# KiCad board teensy_arena_12-12.kicad_pcb (continued)
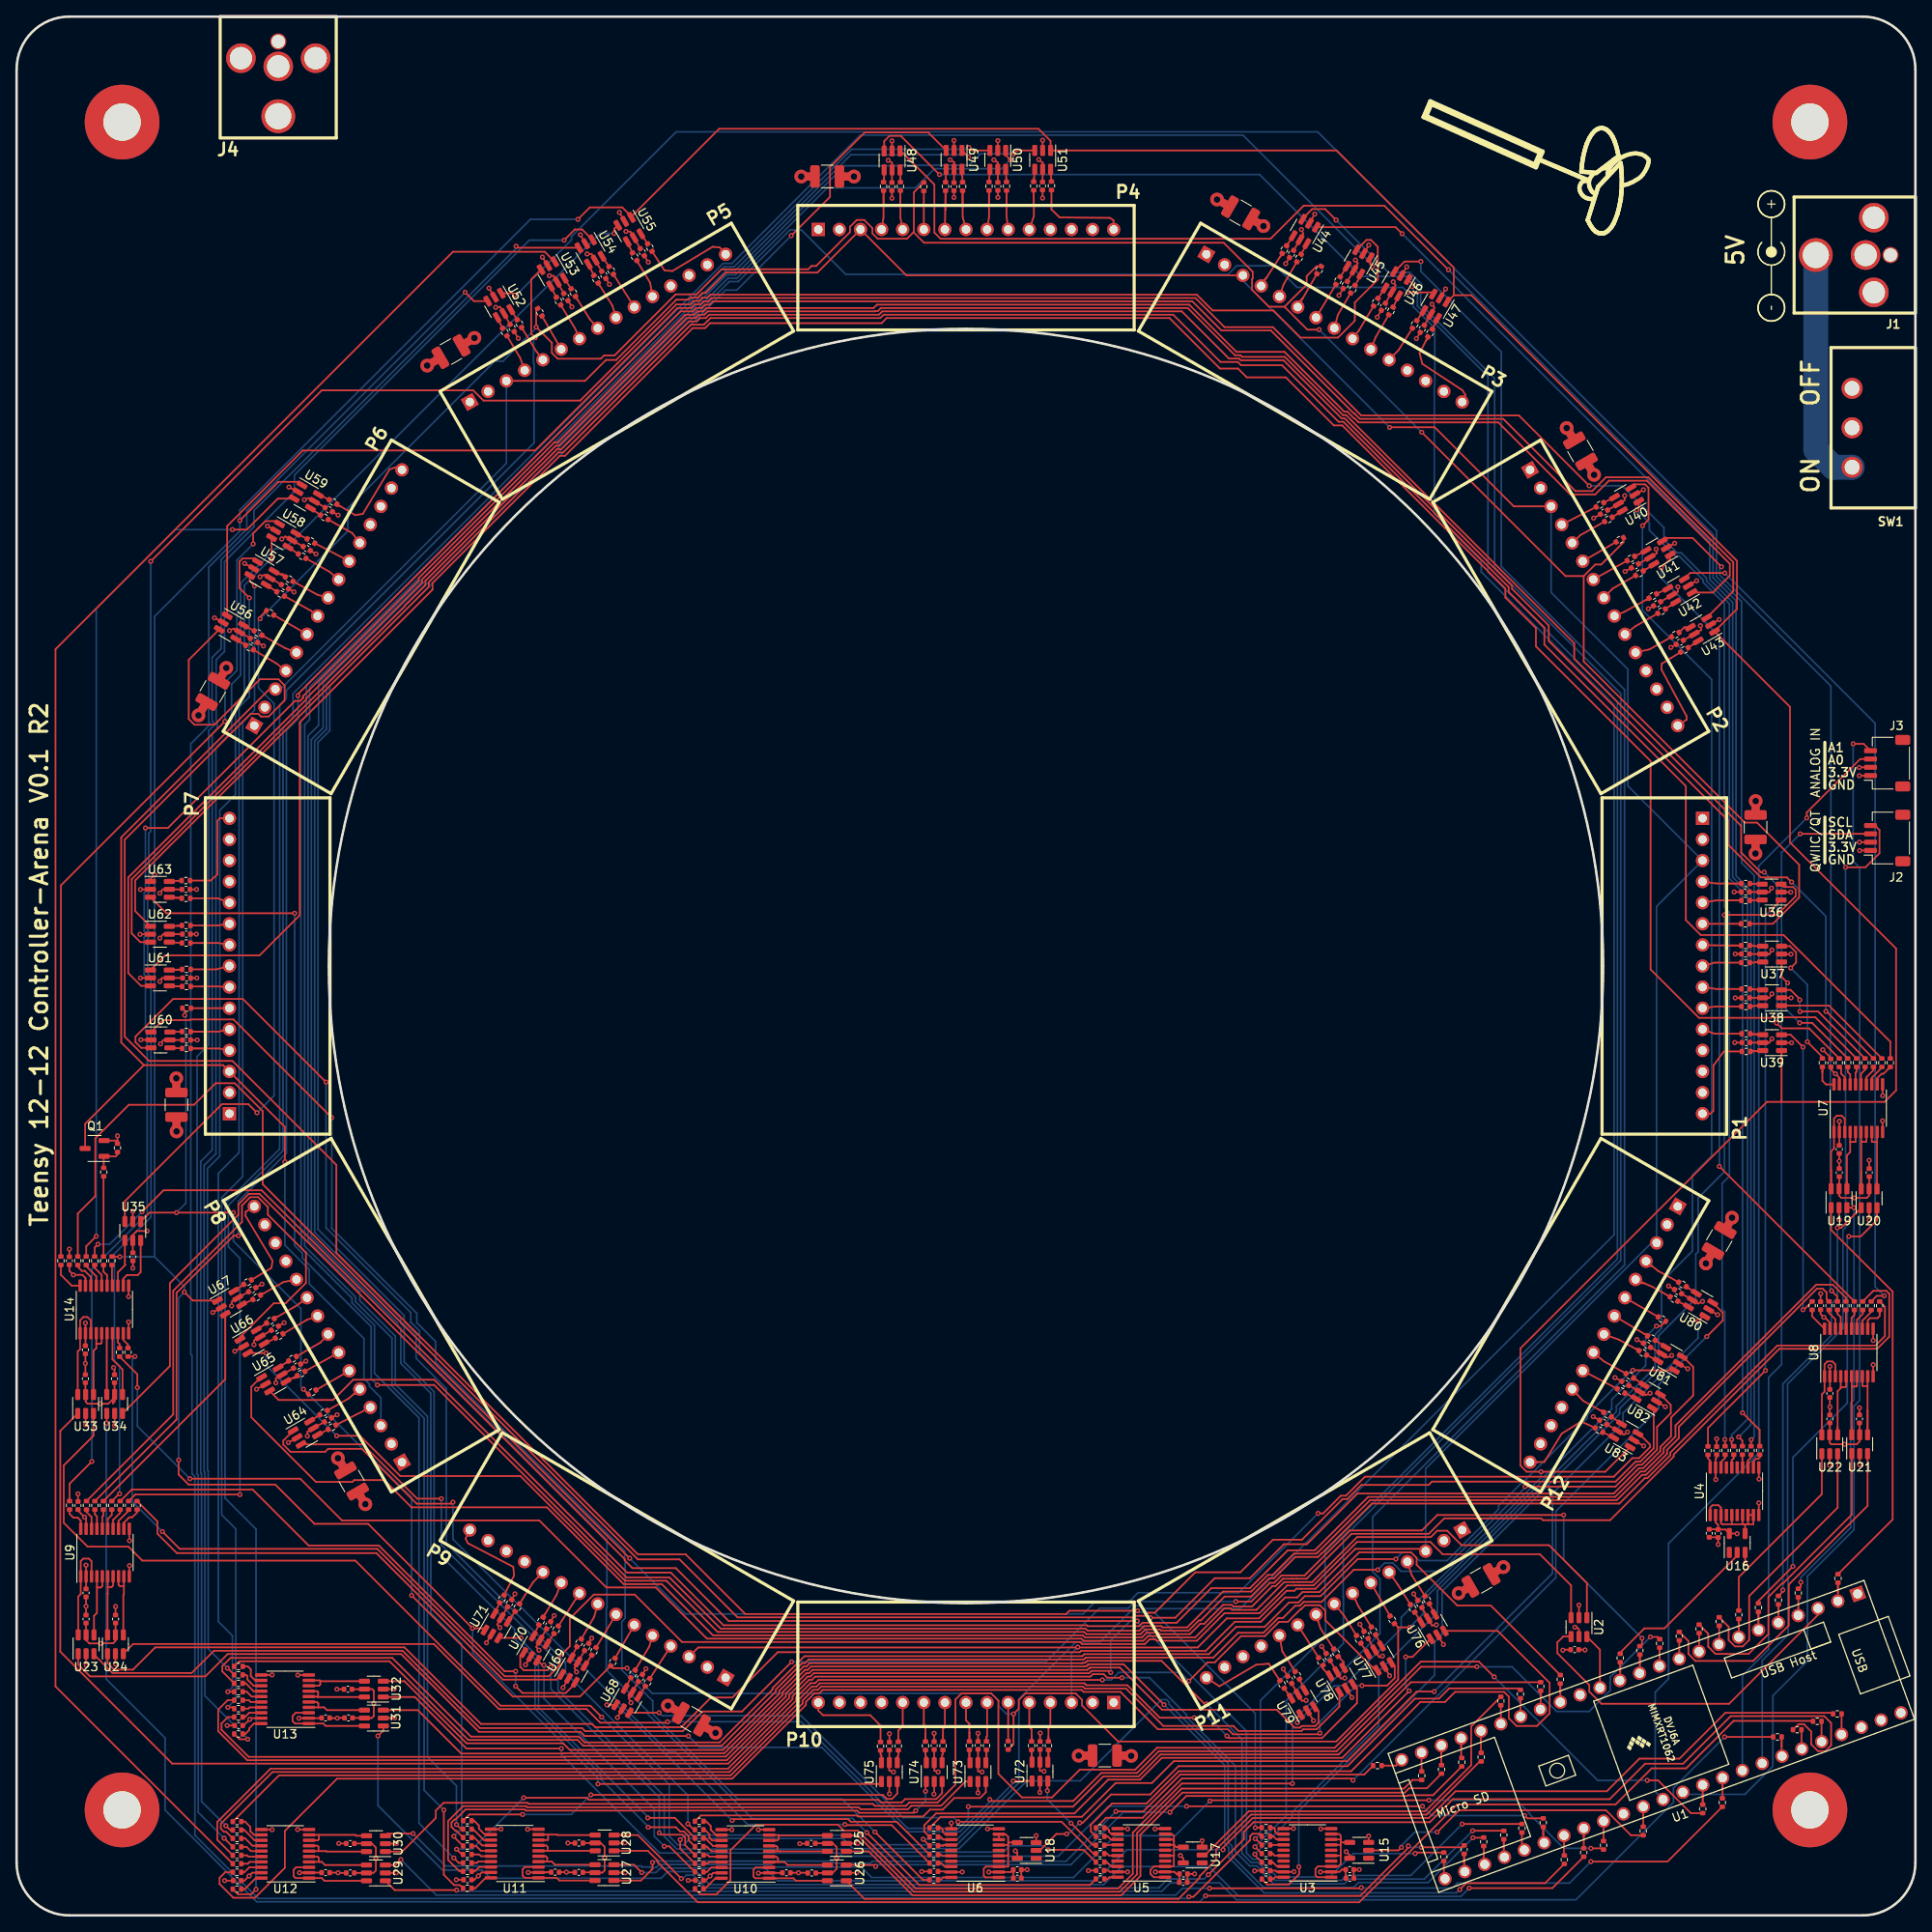
[diagram p0: board, top side]
## Routing (per net, layer and track width the routed paths; a pad name or vN(x,y) marks a point on that pad's centre or on a via; arc(x,y) is an arc through that point) (continued)
Net-(R127-Pad2): length 1.9
  Top w0.2: 209.04,124.21 R127.2 208.69,124.21 209.04,124.21 ; 209.04,124.21 210.14,124.15 U36.4
Net-(R128-Pad2): length 1.5
  Top w0.2: U36.6 210.14,122.25 R128.2
Net-(R129-Pad2): length 1.6
  Top w0.2: 208.67,116.76 209.12,116.76 209.22,116.69 U37.4 ; 208.67,116.76 R129.2 208.67,116.76
Net-(R130-Pad2): length 1.6
  Top w0.2: 208.67,114.71 209.14,114.71 209.45,114.78 U37.6 ; 208.67,114.71 R130.2 208.67,114.71
Net-(R131-Pad2): length 1.9
  Top w0.2: 209.07,111.5 208.72,111.5 R131.2 209.07,111.5 ; 209.07,111.5 U38.4
Net-(R132-Pad2): length 1.9
  Top w0.2: 209.01,109.46 209.32,109.5 U38.6 ; 209.01,109.46 208.73,109.46 R132.2 209.01,109.46
Net-(R133-Pad2): length 2.3
  Top w0.2: 208.72,106.15 209.46,106.08 ; 209.46,106.08 U39.4 ; 209.46,106.08 208.78,106.08 R133.2
Net-(R134-Pad2): length 2.2
  Top w0.2: 209.45,104.06 U39.6 ; 209.45,104.06 208.79,104.06 R134.2 ; 209.45,104.06 208.74,104.01
Net-(R135-Pad2): length 1.5
  Top w0.2: U40.4 192.38,170.75 191.06,170.08 R135.2
Net-(R136-Pad2): length 2.3
  Top w0.2: U40.6 192.94,168.72 192.71,168.72 ; 192.08,168.32 192.08,168.32 ; 192.08,168.32 R136.2 ; 192.08,168.32 192.71,168.72 ; 192.71,168.72 193.33,169.11
Net-(R137-Pad2): length 1.6
  Top w0.2: 196.17,164.33 U41.4 194.79,163.62 R137.2
Net-(R138-Pad2): length 2
  Top w0.2: 196.14,162.04 197.12,162.68 ; 196.14,162.04 196.03,162.04 R138.2 196.14,162.04 ; 197.12,162.68 U41.6 197.12,162.68
Net-(R139-Pad2): length 1.5
  Top w0.2: R139.2 U42.4
Net-(R140-Pad2): length 2.3
  Top w0.2: 199.12,157.7 198.48,157.27 R140.2 ; 199.12,157.7 199.33,157.7 U42.6 199.12,157.7
Net-(R141-Pad2): length 1.6
  Top w0.2: U43.4 200.78,155.09 R141.2
Net-(R142-Pad2): length 2.2
  Top w0.2: 201.85,153.03 202.05,153.03 U43.6 ; 201.85,153.03 202.45,153.44 ; 201.85,153.03 R142.2
Net-(R143-Pad2): length 1.9
  Top w0.2: R143.2 152.89,201.1 153.09,201.3 ; 152.89,200.99 153.09,201.3 ; 153.09,201.3 U44.4
Net-(R144-Pad2): length 1.5
  Top w0.2: U44.6 R144.2 154.65,199.98
Net-(R145-Pad2): length 1.6
  Top w0.2: R145.2 160.19,198.56 U45.4
Net-(R146-Pad2): length 1.6
  Top w0.2: R146.2 161.13,196.23 161.44,196.75 161.84,197.61
Net-(R147-Pad2): length 1.6
  Top w0.2: U46.4 163.92,194.71 ; 163.92,194.71 163.89,194.68 R147.2 163.92,194.71
Net-(R148-Pad2): length 1.5
  Top w0.2: R148.2 165.72,193.61 165.91,194.01 U46.6
Net-(R149-Pad2): length 2.3
  Top w0.2: 169,192.61 U47.4 169.43,193.04 169,192.61 ; 169,192.61 R149.2
Net-(R150-Pad2): length 1.5
  Top w0.2: R150.2 170.43,190.95 U47.6
Net-(R151-Pad2): length 2.2
  Top w0.2: 104.45,209.68 U48.4 104.45,209.68 104.45,209.68 ; 104.45,209.68 104.44,209.22 104.41,208.95 ; 104.41,208.95 R151.2 104.37,208.91 104.41,208.95
Net-(R152-Pad2): length 2.2
  Top w0.2: 106.4,208.92 106.41,208.92 R152.2 106.4,208.92 ; 106.4,208.92 106.4,209.17 106.38,209.66 ; 106.38,209.66 U48.6 106.35,209.68 106.38,209.66
Net-(R153-Pad2): length 1.9
  Top w0.2: 111.85,208.96 111.84,208.67 111.84,208.95 111.85,208.96 ; 111.85,208.96 U49.4
Net-(R154-Pad2): length 2.3
  Top w0.2: 113.85,209.44 113.81,209.48 U49.6 113.85,209.44 ; 113.85,209.44 113.89,208.67
Net-(R155-Pad2): length 1.5
  Top w0.2: R155.2 U50.4
Net-(R156-Pad2): length 1.9
  Top w0.2: 119.15,209.07 R156.2 119.18,209.05 119.15,209.07 ; 119.15,209.07 U50.6
Net-(R157-Pad2): length 1.9
  Top w0.2: 122.48,209.09 U51.4 ; 122.48,209.09 122.45,209.06 R157.2 ; 122.48,209.09 122.45,208.72
Net-(R158-Pad2): length 2.2
  Top w0.2: R158.2 124.53,209.48 ; 124.53,209.48 124.48,209.53 U51.6 124.53,209.48
Net-(R159-Pad2): length 1.5
  Top w0.2: 58.52,191.07 58.52,191.07 ; 58.52,191.07 R159.2 ; 58.52,191.07 57.85,192.38 U52.4
Net-(R160-Pad2): length 1.9
  Top w0.2: 60.08,192.39 60.28,192.2 R160.2 ; 60.08,192.39 60.28,192.08 ; 60.08,192.39 U52.6
Net-(R161-Pad2): length 1.6
  Top w0.2: R161.2 U53.4
Net-(R162-Pad2): length 1.6
  Top w0.2: R162.2 U53.6
Net-(R163-Pad2): length 1.5
  Top w0.2: R163.2 U54.4
Net-(R164-Pad2): length 1.5
  Top w0.2: R164.2 U54.6
Net-(R165-Pad2): length 1.5
  Top w0.2: U55.4 74.15,200.14 R165.2
Net-(R166-Pad2): length 1.5
  Top w0.2: R166.2 75.16,202.45 ; 75.16,202.45 U55.6 75.16,202.45
Net-(R167-Pad2): length 1.9
  Top w0.2: 27.31,153.08 U56.4 ; 27.31,153.08 27.41,153.08 R167.2 ; 27.31,153.08 27.61,152.89
Net-(R168-Pad2): length 1.5
  Top w0.2: U56.6 R168.2 28.62,154.65
Net-(R169-Pad2): length 1.9
  Top w0.2: 31.04,159.55 31.15,159.55 R169.2 31.04,159.55 ; 31.04,159.55 30.04,160.19 U57.4
Net-(R170-Pad2): length 2.4
  Top w0.2: 31.68,161.48 30.99,161.84 ; 31.68,161.48 32.02,161.48 R170.2 ; 31.68,161.48 32.37,161.13
Net-(R171-Pad2): length 1.5
  Top w0.2: R171.2 U58.4
Net-(R172-Pad2): length 1.5
  Top w0.2: U58.6 34.99,165.72 R172.2
Net-(R173-Pad2): length 1.5
  Top w0.2: R173.2 U59.4
Net-(R174-Pad2): length 1.5
  Top w0.2: 37.66,170.43 37.65,170.43 ; 37.65,170.43 R174.2 ; 37.65,170.43 U59.6
Net-(R175-Pad2): length 2.2
  Top w0.2: 19.19,104.41 U60.4 18.49,104.41 19.19,104.41 ; 19.19,104.41 R175.2
Net-(R176-Pad2): length 1.5
  Top w0.2: U60.6 R176.2
Net-(R177-Pad2): length 2.3
  Top w0.2: U61.4 19.16,111.87 ; 19.16,111.87 19.9,111.87 19.94,111.84 19.16,111.87
Net-(R178-Pad2): length 2.3
  Top w0.2: U61.6 19.19,113.85 ; 19.19,113.85 19.9,113.85 19.94,113.89 19.19,113.85
Net-(R179-Pad2): length 1.5
  Top w0.2: R179.2 U62.4
Net-(R180-Pad2): length 2.1
  Top w0.2: 19.34,119.14 R180.2 19.87,119.14 19.34,119.14 ; 19.34,119.14 U62.6
Net-(R181-Pad2): length 2.3
  Top w0.2: 19.88,122.45 19.13,122.52 ; 19.13,122.52 U63.4 ; 19.13,122.52 19.82,122.52 R181.2
Net-(R182-Pad2): length 1.5
  Top w0.2: R182.2 U63.6
Net-(R183-Pad2): length 1.5
  Top w0.2: U64.4 36.22,57.85 R183.2 37.53,58.52
Net-(R184-Pad2): length 1.5
  Top w0.2: 36.52,60.28 U64.6 ; 36.52,60.28 36.52,60.28 ; 36.52,60.28 R184.2
Net-(R185-Pad2): length 2.2
  Top w0.2: 33.27,64.7 33.53,64.7 R185.2 33.27,64.7 ; 33.27,64.7 U65.4
Net-(R186-Pad2): length 2
  Top w0.2: 32.46,66.56 U65.6 ; 32.46,66.56 32.57,66.56 R186.2 32.46,66.56
Net-(R187-Pad2): length 1.5
  Top w0.2: U66.4 R187.2
Net-(R188-Pad2): length 1.9
  Top w0.2: 29.8,71.12 29.91,71.12 R188.2 29.8,71.12 ; 29.8,71.12 28.85,70.48 ; 28.85,70.48 U66.6 28.85,70.48
Net-(R189-Pad2): length 1.5
  Top w0.2: U67.4 28.46,74.15 R189.2
Net-(R190-Pad2): length 1.9
  Top w0.2: 27.04,75.77 U67.6 ; 27.04,75.77 27.15,75.77 R190.2 27.04,75.77
Net-(R191-Pad2): length 1.5
  Top w0.2: U68.4 74.91,26.37 R191.2 75.71,27.61
Net-(R192-Pad2): length 1.5
  Top w0.2: U68.6 73.95,28.62 R192.2
Net-(R193-Pad2): length 1.6
  Top w0.2: U69.4 68.41,30.05 ; 68.41,30.05 68.41,30.04 ; 68.41,30.05 69.25,31.35 ; 69.25,31.35 R193.2 69.25,31.35
Net-(R194-Pad2): length 1.6
  Top w0.2: 66.76,30.99 67.47,32.37 R194.2
Net-(R195-Pad2): length 1.5
  Top w0.2: 63.86,32.68 64.71,33.94 ; 63.86,32.68 63.85,32.67 ; 63.86,32.68 U70.4 ; 64.71,33.94 R195.2 64.71,33.94
Net-(R196-Pad2): length 1.5
  Top w0.2: U70.6 62.88,34.99 R196.2
Net-(R197-Pad2): length 2.3
  Top w0.2: 59.6,35.99 U71.4 59.17,35.56 59.6,35.99 ; 59.6,35.99 R197.2
Net-(R198-Pad2): length 1.5
  Top w0.2: U71.6 58.17,37.66 R198.2
Net-(R199-Pad2): length 2.2
  Top w0.2: 124.23,19.23 R199.2 124.23,19.23 ; 124.23,19.23 124.23,18.53 124.15,18.46 U72.4
Net-(R200-Pad2): length 2.2
  Top w0.2: 122.19,19.22 R200.2 122.19,19.22 ; 122.19,19.22 122.19,18.51 U72.6
Net-(R201-Pad2): length 2.3
  Top w0.2: 116.76,19.2 R201.2 116.76,19.2 ; 116.76,19.2 116.76,18.46 U73.4
Net-(R202-Pad2): length 2.3
  Top w0.2: 114.71,19.2 R202.2 114.71,19.2 114.71,19.2 ; 114.71,19.2 114.71,18.47 U73.6
Net-(R203-Pad2): length 1.8
  Top w0.2: 111.53,19.68 R203.2 111.53,19.68 ; 111.53,19.68 111.53,19.46 111.43,19.35 U74.4
Net-(R204-Pad2): length 1.9
  Top w0.2: 109.42,19.56 109.42,19.2 109.53,19.1 U74.6 ; 109.42,19.56 R204.2 109.42,19.56
Net-(R205-Pad2): length 1.9
  Top w0.2: 106.15,19.88 106.15,19.56 ; 106.15,19.56 106.15,19.56 R205.2 ; 106.15,19.56 106.15,19.23 106.02,19.1 U75.4
Net-(R206-Pad2): length 1.9
  Top w0.2: 104.12,18.82 U75.6 104.12,18.82 ; 104.12,18.82 104.12,19.25 104.01,19.36 R206.2 104.01,19.86
Net-(R207-Pad2): length 1.5
  Top w0.2: U76.4 170.75,36.22 170.08,37.54 R207.2
Net-(R208-Pad2): length 1.5
  Top w0.2: 168.32,36.52 168.32,36.52 ; 168.32,36.52 169.1,35.28 ; 168.32,36.52 R208.2 ; U76.6 169.1,35.28 ; 169.1,35.28 169.11,35.27
Net-(R209-Pad2): length 1.6
  Top w0.2: R209.2 163.62,33.81 U77.4 164.32,32.43
Net-(R210-Pad2): length 1.6
  Top w0.2: R210.2 162.68,31.49 ; 162.68,31.49 U77.6 162.68,31.49
Net-(R211-Pad2): length 1.7
  Top w0.2: U78.4 159.77,30.5 R211.2
Net-(R212-Pad2): length 1.6
  Top w0.2: U78.6 157.27,29.7 R212.2
Net-(R213-Pad2): length 1.5
  Top w0.2: R213.2 154.45,28.46 U79.4
Net-(R214-Pad2): length 1.5
  Top w0.2: R214.2 U79.6 153.44,26.15
Net-(R215-Pad2): length 1.9
  Top w0.2: R215.2 201.19,75.52 201.29,75.52 ; 201.29,75.52 202.23,74.91 U80.4 ; 201.29,75.52 200.99,75.71
Net-(R216-Pad2): length 1.5
  Top w0.2: U80.6 199.98,73.95 R216.2
Net-(R217-Pad2): length 1.9
  Top w0.2: U81.4 198.56,68.41 197.56,69.05 ; 197.56,69.05 197.45,69.05 R217.2 197.56,69.05
Net-(R218-Pad2): length 1.6
  Top w0.2: R218.2 196.23,67.47 197.61,66.77
Net-(R219-Pad2): length 1.9
  Top w0.2: 194.99,64.49 R219.2 194.88,64.49 194.99,64.49 ; 194.99,64.49 195.93,63.85 ; U82.4 195.93,63.85 ; 195.93,63.85 195.93,63.85
Net-(R220-Pad2): length 1.5
  Top w0.2: R220.2 193.61,62.88 U82.6
Net-(R221-Pad2): length 1.5
  Top w0.2: 193.22,59.18 U83.4 193.22,59.18 ; 193.22,59.18 R221.2
Net-(R222-Pad2): length 1.5
  Top w0.2: U83.6 190.94,58.17 R222.2
Net-(U3-A1): length 15.3
  Top w0.2: 159.41,8.78 159.41,9.14 ; 159.41,8.78 U15.4 ; 159.41,8.78 159.41,8.45 ; 159.41,9.14 U3.8 158.26,9.14 ; 159.41,9.14 159.41,9.6 159.22,9.79 U3.9 158.26,9.79 ; 159.41,7.19 159.41,8.45 ; 159.41,7.19 159.41,6.2 159.11,5.89 U3.3 156.67,5.89 156.37,5.6 156.37,4.82 156.59,4.59 U3.1 ; 159.41,7.19 159.4,7.19 159.37,7.22 159.34,7.19 U3.5 158.26,7.19 ; 159.41,8.45 159.37,8.49 U3.7 158.26,8.49
Net-(U3-B1): length 1.7
  Top w0.2: U3.20 151.51,4.59 151.28,4.37 150.93,4.37 R39.2
Net-(U3-B2): length 1.8
  Top w0.2: U3.18 151.74,5.89 151.23,6.4 150.93,6.4 R40.2
Net-(U3-B4): length 1.7
  Top w0.2: U3.16 151.45,7.19 151.21,7.44 R41.2
Net-(U3-B6): length 1.6
  Top w0.2: 150.93,8.48 R42.2 150.93,8.48 ; 150.93,8.48 152.53,8.48 152.53,8.49 ; 152.53,8.49 U3.14 152.53,8.49
Net-(U3-B7): length 1.8
  Top w0.2: U3.13 151.69,9.14 151.31,9.53 R43.2
Net-(U3-B8): length 2.1
  Top w0.2: 150.93,10.57 R44.2 150.93,10.57 ; 150.93,10.57 151.33,10.57 151.49,10.41 151.49,10.11 151.8,9.79 U3.12
Net-(U4-A1): length 15.8
  Top w0.2: 207.8,47.09 206.5,47.09 ; 207.8,47.09 207.98,47.09 ; 207.8,47.09 207.8,47.65 ; 207.8,47.09 207.98,47.09 ; 206.5,47.09 205.33,47.09 205.2,47.23 U4.3 205.2,49.08 204.9,49.38 204.17,49.38 203.9,49.11 U4.1 203.9,48.2 ; 206.5,47.09 206.5,47.1 206.5,48.2 U4.5 ; 208.1,47.09 208.1,47.09 208.1,46.53 ; 208.1,47.09 207.98,47.09 ; 208.1,47.09 208.43,47.09 ; 208.43,47.09 208.45,47.11 208.45,48.2 ; 208.43,47.09 209.09,47.09 209.1,47.1 U4.9 U4.8 ; 207.8,47.65 207.8,48.2 ; 207.8,47.65 U4.7 ; 208.1,45.98 208.1,46.53 ; 208.1,46.53 208.1,46.53 U16.4
Net-(U4-B1): length 2.3
  Top w0.2: 203.63,55.23 R45.2 203.63,55.23 ; 203.63,55.23 203.63,55.02 203.9,54.75 203.9,54.34 ; 203.9,54.34 U4.20 203.9,54.34 203.9,54.34
Net-(U4-B2): length 2.3
  Top w0.2: 205.69,55.27 205.69,55.27 R46.2 ; 205.69,55.27 205.69,55.08 205.2,54.58 205.2,54.25 ; 205.69,55.27 205.69,55.47 ; 205.2,54.25 U4.18 205.2,54.25
Net-(U4-B4): length 2.3
  Top w0.2: 206.73,55.26 206.73,55.26 R47.2 ; 206.73,55.26 206.73,55.47 ; 206.73,55.26 206.73,55.04 206.5,54.81 206.5,54.37 ; 206.5,54.37 U4.16 206.5,54.37
Net-(U4-B6): length 1.6
  Top w0.2: 207.78,53.94 U4.14 207.78,53.94 ; 207.78,53.94 207.77,53.95 R48.2
Net-(U4-B7): length 2.3
  Top w0.2: R49.2 208.81,55.31 208.81,55.31 ; 208.45,54.35 208.45,54.35 U4.13 208.45,54.35 ; 208.45,54.35 208.45,54.78 208.81,55.14 208.81,55.31 ; 208.81,55.31 208.81,55.47
Net-(U4-B8): length 2.6
  Top w0.2: 209.1,54.3 U4.12 209.1,54.29 209.1,54.3 ; 209.1,54.3 209.1,54.66 209.4,54.96 209.7,54.96 209.86,55.12 209.86,55.3 ; R50.2 209.85,55.3 209.86,55.3 ; 209.86,55.3 209.86,55.47
Net-(U5-A1): length 14.7
  Top w0.2: 139.32,7.19 138.28,7.19 U5.5 ; 139.32,7.19 139.34,7.21 139.33,7.22 139.33,8.49 ; 139.32,7.19 139.32,5.98 139.24,5.89 U5.3 136.92,5.89 136.51,5.48 136.51,4.98 136.9,4.59 U5.1 138.28,4.59 ; 139.33,8.95 139.33,9.56 139.1,9.79 138.28,9.79 U5.9 ; 139.33,8.95 139.33,8.49 ; 139.33,8.95 139.14,9.14 138.28,9.14 U5.8 ; 139.33,8.49 138.28,8.49 U5.7 ; 139.33,8.49 139.61,8.22 140.46,8.22 140.46,8.22
Net-(U5-B1): length 1.7
  Top w0.2: U5.20 131.54,4.59 131.34,4.39 R51.2
Net-(U5-B2): length 1.8
  Top w0.2: R52.2 131.25,6.42 131.77,5.89 U5.18
Net-(U5-B4): length 1.7
  Top w0.2: U5.16 131.54,7.19 131.3,7.43 R53.2
Net-(U5-B6): length 1.6
  Top w0.2: R54.2 131.44,8.45 131.48,8.49 U5.14
Net-(U5-B7): length 1.8
  Top w0.2: U5.13 131.72,9.14 131.35,9.52 R55.2
Net-(U5-B8): length 2
  Top w0.2: 130.96,10.53 R56.2 131.25,10.53 131.51,10.27 131.51,10.09 131.81,9.79 U5.12
Net-(U6-A1): length 14.7
  Top w0.2: U6.1 116.64,4.57 116.43,4.78 116.43,5.61 116.69,5.87 U6.3 119.36,5.87 119.38,5.89 119.38,7.31 ; U6.5 119.24,7.17 119.38,7.31 ; 119.38,8.53 119.32,8.47 U6.7 ; 119.38,8.53 119.38,7.31 ; 119.38,8.53 119.38,8.8 ; 120.47,8.77 U18.4 119.41,8.77 119.38,8.8 ; 119.38,8.8 119.38,9.45 119.06,9.77 U6.9 U6.8
Net-(U6-B1): length 1.7
  Top w0.2: 112.53,4.57 U6.20 111.56,4.57 111.26,4.28 R57.2
Net-(U6-B2): length 1.8
  Top w0.2: R58.2 111.29,6.31 111.73,5.87 U6.18 112.53,5.87
Net-(U6-B4): length 1.7
  Top w0.2: R59.2 111.29,7.33 111.45,7.17 U6.16 112.53,7.17
Net-(U6-B6): length 1.6
  Top w0.2: R60.2 111.55,8.39 111.56,8.38 111.65,8.47 U6.14 112.53,8.47
Net-(U6-B7): length 1.7
  Top w0.2: R61.2 111.24,9.46 111.58,9.12 U6.13 112.53,9.12
Net-(U6-B8): length 2.1
  Top w0.2: 112.53,9.77 U6.12 111.79,9.77 111.49,10.07 111.49,10.33 111.29,10.53 R62.2
Net-(U7-A1): length 14.1
  Top w0.2: 218.8,94.21 218.8,95.94 219.13,96.27 219.74,96.27 220.1,95.9 220.1,94.32 U7.3 ; 218.8,94.21 218.8,94.21 U7.1 ; 218.8,94.21 218.8,92.33 218.45,91.99 218.45,89.73 ; U19.6 218.45,89.73 218.45,89.73 ; 218.45,87.48 218.45,89.73
Net-(U7-A3): length 10.9
  Top w0.2: 220.36,87.48 220.36,88.35 ; 220.36,88.35 220.36,91.5 220.75,91.89 220.75,93.09 ; 220.36,88.35 220.35,88.35 U19.4 ; 220.75,93.09 220.75,93.7 ; 220.75,93.09 220.77,93.12 221.39,93.12 221.4,93.13 221.4,93.72 ; 220.75,93.7 U7.4 220.75,93.7 ; 221.4,93.72 221.4,93.72 U7.5 ; 221.4,93.72 221.4,94.32
Net-(U7-A5): length 11.4
  Top w0.2: 222.06,94.3 U7.6 222.06,94.3 ; 222.06,94.3 222.08,94.29 222.08,93.14 ; 222.08,93.14 222.08,89.58 ; 222.08,93.14 222.71,93.14 222.7,93.15 222.7,93.73 ; U20.6 222.08,89.58 222.08,89.58 ; 222.08,89.58 222.08,87.47 ; 222.7,93.73 222.7,94.32 ; 222.7,93.73 222.7,93.73 U7.7
Net-(U7-A7): length 10.1
  Top w0.2: 223.98,87.47 223.98,88.35 ; 223.98,88.35 223.98,88.35 U20.4 ; 223.98,88.35 223.98,93.09 ; 223.98,93.09 223.98,94.3 U7.9 224,94.32 ; 223.98,93.09 223.95,93.12 223.42,93.12 223.35,93.19 223.35,93.75 ; 223.35,93.75 U7.8 223.35,93.75
Net-(U7-B1): length 3.9
  Top w0.2: U7.20 218.8,100.04 ; 218.8,100.04 217.84,100.04 217.4,100.48 217.4,101.54 ; 218.8,100.04 218.8,100.04 ; 217.4,101.54 R69.2 217.4,101.54
Net-(U7-B2): length 2.5
  Top w0.2: 219.55,102.04 R63.2 219.44,102.15 219.55,102.04 ; 219.55,102.04 219.66,101.93 219.66,101.34 220.1,100.9 220.1,100.04 U7.18
Net-(U7-B3): length 2.5
  Top w0.2: 220.45,101.85 R64.2 220.45,101.85 ; 220.45,101.85 220.45,101.54 220.75,101.25 220.75,100.04 U7.17
Net-(U7-B4): length 2.4
  Top w0.2: 221.52,101.86 R65.2 221.52,101.86 ; 221.52,101.86 221.52,101.58 221.39,101.45 221.4,101.44 221.4,100.04 U7.16
Net-(U7-B5): length 2.5
  Top w0.2: 222.53,101.98 222.53,101.81 222.05,101.32 222.05,100.04 U7.15 ; 222.53,101.98 R66.2 222.53,101.98
Net-(U7-B6): length 2.7
  Top w0.2: U7.14 222.7,100.04 222.7,100.91 223.55,101.76 223.55,101.95 ; 223.55,101.95 R67.2 223.55,101.95 223.55,101.95
Net-(U7-B7): length 2.7
  Top w0.2: 224.57,102.11 R68.2 224.57,102.11 ; 224.57,102.11 224.57,102.07 223.35,100.85 223.35,100.04 U7.13
Net-(U7-B8): length 3.3
  Top w0.2: U7.12 224,100.04 224,100.79 224.53,101.33 224.76,101.33 225.28,101.85 ; 225.28,101.85 R70.2 225.28,101.85
Net-(U8-A1): length 14.2
  Top w0.2: 217.66,64.75 217.66,66.36 218,66.69 218.6,66.69 218.96,66.33 U8.3 ; 217.66,64.75 U8.1 ; 217.66,64.75 217.66,63.05 217.34,62.73 217.34,60.29 ; 217.34,60.29 U22.6 217.34,60.29
Net-(U8-A3): length 11.2
  Top w0.2: 219.61,64.25 219.61,64.25 U8.4 ; 219.61,64.25 219.61,63.6 ; 219.61,64.25 219.61,64.9 ; 219.61,63.6 220.17,63.6 220.26,63.7 220.26,64.3 ; 219.61,63.6 219.61,63.48 219.24,63.1 219.24,58.71 ; 220.26,64.3 U8.5 220.26,64.3 220.26,64.3 ; 219.24,58.71 U22.4 219.24,58.71
Net-(U8-A5): length 10.3
  Top w0.2: 220.94,58.71 220.94,63.68 ; 220.94,58.71 220.94,57.87 ; 220.94,58.71 U21.6 ; 220.94,63.68 221.49,63.68 221.56,63.75 221.56,63.76 221.56,64.33 ; 220.94,63.68 220.94,64.87 U8.6 220.91,64.9 ; 221.56,64.33 U8.7 221.56,64.33
Net-(U8-A7): length 12.3
  Top w0.2: 222.21,64.9 222.21,64.35 ; 222.21,64.35 222.21,64.35 U8.8 ; 222.21,64.35 222.21,63.79 222.27,63.73 222.84,63.73 ; 222.84,60.8 U21.4 ; 222.84,60.8 222.84,63.73 ; 222.84,60.8 222.84,57.87 ; 222.84,63.73 222.84,64.89 U8.9
Net-(U8-B1): length 3.3
  Top w0.2: U8.20 216.17,72.12 216.17,72.51 ; 216.17,72.51 216.17,72.51 R71.2 216.17,72.51
Net-(U8-B2): length 2.8
  Top w0.2: 218.2,72.71 R72.2 218.2,72.71 ; 218.2,72.71 218.2,72.53 218.96,71.77 U8.18
Net-(U8-B3): length 2.6
  Top w0.2: 219.22,72.72 R73.2 219.22,72.73 ; 219.22,72.72 219.22,72.43 219.61,72.03 219.61,70.63 U8.17
Net-(U8-B4): length 2.6
  Top w0.2: 220.23,72.56 R74.2 220.23,72.56 ; 220.23,72.56 220.23,70.66 U8.16
Net-(U8-B5): length 2.7
  Top w0.2: U8.15 220.91,70.63 220.91,71.94 221.25,72.28 221.25,72.59 ; 221.25,72.59 R75.2 ; 221.25,72.59 221.25,72.9
Net-(U8-B6): length 2.8
  Top w0.2: 222.26,72.65 222.26,72.41 221.56,71.7 U8.14 ; 222.26,72.65 222.26,72.89 ; 222.26,72.65 222.26,72.65 R76.2
Net-(U8-B7): length 2.8
  Top w0.2: U8.13 222.21,70.63 222.21,71.59 223.28,72.66 223.28,72.78 ; 223.28,72.78 223.28,72.89 ; 223.28,72.78 R77.2
Net-(U8-B8): length 3.8
  Top w0.2: U8.12 222.86,71.63 223.14,71.91 224.05,71.91 224.3,72.15 224.3,72.54 ; 224.3,72.54 224.3,72.89 ; 224.3,72.54 R78.2
Net-(U9-A1): length 12.4
  Top w0.2: U9.3 9.02,42.65 8.71,42.95 8.03,42.95 7.72,42.64 U9.1 7.72,38.68 7.42,38.38 U23.6
Net-(U9-A3): length 9.1
  Top w0.2: 9.67,39.56 U9.4 ; 9.67,39.56 9.67,36.41 9.32,36.06 U23.4 ; 9.67,39.56 9.75,39.47 10.13,39.47 10.32,39.66 U9.5
Net-(U9-A5): length 8.9
  Top w0.2: 10.97,39.52 U9.6 ; 10.97,39.52 10.97,38.73 10.95,38.71 U24.6 ; 10.97,39.52 11.43,39.52 11.62,39.71 U9.7
Net-(U9-A7): length 8.8
  Top w0.2: U9.8 12.27,39.8 12.45,39.62 12.92,39.62 ; 12.92,39.62 U9.9 ; 12.92,39.62 12.92,38.65 12.85,38.58 U24.4
Net-(U9-B1): length 3.2
  Top w0.2: U9.20 7.72,47.53 7.37,47.88 6.83,47.88 6.38,48.34 R79.2
Net-(U9-B2): length 2.6
  Top w0.2: U9.18 9.02,47.97 8.41,48.58 R80.2
Net-(U9-B3): length 2.4
  Top w0.2: R81.2 9.42,48.29 9.67,48.04 U9.17
Net-(U9-B4): length 2.4
  Top w0.2: U9.16 10.32,48.01 10.44,48.13 R82.2
Net-(U9-B5): length 2.5
  Top w0.2: U9.15 10.97,47.72 11.46,48.21 R83.2
Net-(U9-B6): length 2.7
  Top w0.2: R84.2 12.47,48.46 11.62,47.61 U9.14
Net-(U9-B7): length 2.8
  Top w0.2: R85.2 13.49,48.72 12.27,47.5 U9.13
Net-(U9-B8): length 3.2
  Top w0.2: U9.12 12.92,47.28 13.57,47.93 13.92,47.93 14.5,48.51 R86.2
Net-(U10-A1): length 11.9
  Top w0.2: U26.6 97.62,4.17 93.82,4.17 93.52,4.47 U10.1 88.93,4.47 88.71,4.69 88.71,5.5 88.98,5.77 U10.3
Net-(U10-A3): length 8.8
  Top w0.2: 91.67,6.42 91.67,6.86 91.46,7.07 U10.5 ; 91.67,6.42 92.46,6.42 92.81,6.07 97.62,6.07 U26.4 ; 91.67,6.42 U10.4
Net-(U10-A5): length 8.6
  Top w0.2: 91.59,7.72 91.92,7.72 91.92,7.72 91.93,7.71 97.62,7.71 ; 91.59,7.72 U10.6 ; 91.59,7.72 91.59,8.23 91.45,8.37 U10.7 ; 97.62,7.71 U25.6 97.62,7.71
Net-(U10-A7): length 8.7
  Top w0.2: 97.62,9.61 U25.4 97.62,9.61 ; 97.62,9.61 91.76,9.61 ; U10.9 91.7,9.67 91.76,9.61 ; 91.76,9.61 91.75,9.6 91.75,9.2 91.57,9.02 U10.8
Net-(U10-B1): length 2.7
  Top w0.2: 84.87,4.47 U10.20 84.87,4.47 ; 84.87,4.47 84.12,4.47 82.85,3.2 82.69,3.2 R87.2
Net-(U10-B2): length 2.4
  Top w0.2: 84.87,5.77 83.65,5.77 83.11,5.23 82.69,5.23 R88.2 ; 84.87,5.77 U10.18 84.87,5.77
Net-(U10-B3): length 2.3
  Top w0.2: 84.87,6.42 U10.17 84.87,6.42 ; 84.87,6.42 83.38,6.42 83.21,6.25 82.69,6.25 R89.2
Net-(U10-B4): length 2.3
  Top w0.2: 84.87,7.07 83.4,7.07 83.21,7.26 R90.2 ; 84.87,7.07 U10.16 84.87,7.07
Net-(U10-B5): length 2.4
  Top w0.2: 84.87,7.72 83.67,7.72 83.11,8.28 82.69,8.28 R91.2 ; 84.87,7.72 U10.15 84.87,7.72
Net-(U10-B6): length 2.6
  Top w0.2: 84.87,8.37 83.83,8.37 82.91,9.3 82.69,9.3 R92.2 ; 84.87,8.37 U10.14 84.87,8.37
Net-(U10-B7): length 3
  Top w0.2: R93.2 82.69,10.31 82.85,10.31 83.41,9.75 83.41,9.35 83.75,9.02 84.87,9.02 ; 84.87,9.02 U10.13 84.87,9.02
Net-(U10-B8): length 3.1
  Top w0.2: 84.87,9.67 84.21,9.67 83.57,10.31 83.57,10.77 83.01,11.33 82.69,11.33 R94.2 ; 84.87,9.67 U10.12 84.87,9.67
Net-(U11-A1): length 11.8
  Top w0.2: U11.3 61.19,5.82 60.91,5.54 60.91,4.8 61.19,4.52 U11.1 65.02,4.52 65.35,4.2 U27.6
Net-(U11-A3): length 8.6
  Top w0.2: U11.4 62.84,6.47 63.88,6.47 ; U27.4 64.82,6.1 64.44,6.47 63.88,6.47 ; 63.88,6.47 63.88,6.96 63.72,7.12 U11.5
Net-(U11-A5): length 8.5
  Top w0.2: 63.93,7.77 62.84,7.77 U11.6 ; 63.93,7.77 63.93,8.25 63.76,8.42 U11.7 ; 63.93,7.77 U28.6
Net-(U11-A7): length 8.6
  Top w0.2: 63.98,9.72 65.05,9.72 65.1,9.67 U28.4 ; 63.98,9.72 63.98,9.12 63.94,9.07 62.84,9.07 U11.8 ; 63.98,9.72 U11.9
Net-(U11-B1): length 2.9
  Top w0.2: U11.20 56.47,4.52 55.22,3.27 R95.2 54.77,3.27
Net-(U11-B2): length 2.5
  Top w0.2: 54.78,5.3 R96.2 55.16,5.3 55.68,5.82 U11.18
Net-(U11-B3): length 2.4
  Top w0.2: 54.78,6.32 R97.2 55.42,6.32 55.57,6.47 57.11,6.47 U11.17
Net-(U11-B4): length 2.4
  Top w0.2: U11.16 55.92,7.12 55.71,7.34 R98.2 54.78,7.34
Net-(U11-B5): length 2.6
  Top w0.2: U11.15 57.11,7.77 55.91,7.77 55.33,8.35 R99.2 54.78,8.35
Net-(U11-B6): length 2.7
  Top w0.2: 54.78,9.37 R100.2 55.1,9.37 56.04,8.42 U11.14
Net-(U11-B7): length 2.9
  Top w0.2: U11.13 57.11,9.07 56.26,9.07 54.94,10.38 R101.2
Net-(U11-B8): length 3.2
  Top w0.2: U11.12 56.37,9.72 55.65,10.45 55.65,10.82 55.07,11.4 R102.2 54.78,11.4
Net-(U12-A1): length 11.7
  Top w0.2: U12.3 33.65,5.79 33.35,5.49 33.35,4.72 33.59,4.49 35.21,4.49 ; U29.6 37.06,4.17 36.73,4.49 35.21,4.49 ; 35.21,4.49 U12.1
Net-(U12-A3): length 8.8
  Top w0.2: 35.21,7.09 36.22,7.09 36.37,6.93 36.37,6.52 36.45,6.44 ; 35.21,7.09 U12.5 35.21,7.09 ; 36.45,6.44 35.21,6.44 ; 36.45,6.44 36.74,6.44 37.11,6.07 U29.4 ; 35.21,6.44 U12.4 ; 35.21,6.44 35.21,6.44
Net-(U12-A5): length 8.7
  Top w0.2: 42.13,7.69 37.32,7.69 37.27,7.74 36.35,7.74 ; 35.21,8.39 U12.7 35.21,8.39 ; 35.21,8.39 36.21,8.39 36.35,8.25 36.35,7.74 ; 36.35,7.74 35.21,7.74 ; 35.21,7.74 35.21,7.74 ; 35.21,7.74 U12.6
Net-(U12-A7): length 8.7
  Top w0.2: 35.21,9.69 U12.9 35.21,9.69 ; 35.21,9.69 36.42,9.69 ; 35.21,9.04 35.21,9.04 ; 35.21,9.04 U12.8 ; 35.21,9.04 36.27,9.04 36.4,9.17 36.4,9.66 36.42,9.69 ; U30.4 40.89,9.59 40.78,9.69 36.42,9.69
Net-(U12-B1): length 3
  Top w0.2: R103.2 27.48,3.17 28.8,4.49 U12.20
Net-(U12-B2): length 2.7
  Top w0.2: R104.2 27.42,5.2 28.01,5.79 U12.18
Net-(U12-B3): length 2.5
  Top w0.2: R105.2 27.83,6.22 28.05,6.44 29.48,6.44 U12.17
Net-(U12-B4): length 2.5
  Top w0.2: R106.2 27.74,7.23 27.89,7.09 28.52,7.09 28.53,7.09 U12.16
Net-(U12-B5): length 2.6
  Top w0.2: U12.15 29.48,7.74 28.2,7.74 27.69,8.25 R107.2
Net-(U12-B6): length 2.8
  Top w0.2: U12.14 28.39,8.39 27.52,9.26 R108.2
Net-(U12-B7): length 2.9
  Top w0.2: U12.13 29.48,9.04 28.65,9.04 27.41,10.28 R109.2
Net-(U12-B8): length 3.4
  Top w0.2: U12.12 28.59,9.69 28.14,10.14 28.14,10.64 27.49,11.3 R110.2
Net-(U13-A1): length 11.6
  Top w0.2: U13.3 33.61,24.39 33.22,24 33.22,23.39 33.52,23.09 U13.1 36.93,23.09 37.21,22.81 41.87,22.81 U31.6
Net-(U13-A3): length 8.5
  Top w0.2: U31.4 41.87,24.71 37.37,24.71 37.03,25.04 36.32,25.04 ; 36.32,25.04 36.32,25.53 36.15,25.69 U13.5 ; 36.32,25.04 U13.4
Net-(U13-A5): length 8.5
  Top w0.2: 36.3,26.29 36.19,26.29 36.14,26.34 U13.6 ; 36.3,26.29 U32.6 ; 36.3,26.29 36.3,26.9 36.2,26.99 U13.7
Net-(U13-A7): length 8.6
  Top w0.2: 36.56,28.23 36.6,28.19 U32.4 ; 36.56,28.23 36.56,27.8 36.41,27.64 U13.8 ; 36.56,28.23 36.5,28.29 U13.9
Net-(U13-B1): length 2.9
  Top w0.2: R111.2 27.53,21.84 27.99,22.3 27.99,22.5 28.58,23.09 U13.20
Net-(U13-B2): length 2.4
  Top w0.2: R112.2 27.48,23.88 28,24.39 U13.18
Net-(U13-B3): length 2.3
  Top w0.2: R113.2 27.89,24.89 28.04,25.04 U13.17
Net-(U13-B4): length 2.3
  Top w0.2: R114.2 27.97,25.91 28.18,25.69 U13.16
Net-(U13-B5): length 2.5
  Top w0.2: U13.15 28.29,26.34 27.71,26.92 R115.2
Net-(U13-B6): length 2.6
  Top w0.2: U13.14 28.53,26.99 27.58,27.94 R116.2
Net-(U13-B7): length 3
  Top w0.2: U13.13 28.54,27.64 27.79,28.4 27.79,28.8 27.64,28.96 R117.2
Net-(U13-B8): length 3.4
  Top w0.2: U13.12 28.71,28.29 28.19,28.81 28.19,29.62 27.84,29.97 R118.2
